# Allegro board SG2042_EVB_V1_1.brd (continued)
## Routing (per net, layer and track width the routed paths; a pad name or vN(x,y) marks a point on that pad's centre or on a via; arc(x,y) is an arc through that point) (continued)
N16965854: length 184.2
  TOP w0.102: v1(204.72,184.07) 204.72,183.21 201.67,180.16 192.05,180.16 182.58,170.69 170.33,170.69 167.64,168.01 167.64,163.18 145.47,141.01 U1.A36 ; 283.08,204.47 v1(282.47,204.47)
  ART03 w0.102: v1(208.58,198.91) 208.66,198.83 234.67,198.83 242.95,207.11 279.83,207.11 v1(282.47,204.47)
  ART10 w0.102: v1(208.58,198.91) 208.2,198.53 208.2,197.62 208.56,197.26 208.56,186.78 205.86,184.07 v1(204.72,184.07)
N16965864: length 182.5
  TOP w0.102: v1(207.29,184.07) 207.29,183.44 202.59,178.74 192.64,178.74 183.17,169.27 170.92,169.27 169.06,167.42 169.06,162.59 147.47,141 U1.A38 ; 283.08,203.61 v1(282.47,203.61)
  ART03 w0.102: v1(208.58,198.3) 208.91,198.63 234.76,198.63 243.04,206.91 279.17,206.91 v1(282.47,203.61)
  ART10 w0.102: v1(207.29,184.07) 207.29,185.22 208.76,186.69 208.76,198.12 v1(208.58,198.3)
N16965874: length 188.1
  TOP w0.102: U1.H33 v1(142.97,127.15) ; 283.08,202.74 v1(282.47,202.74)
  ART03 w0.102: v1(282.47,202.74) 278.51,206.71 243.12,206.71 234.84,198.42 212.26,198.42 210.96,197.13 205.54,197.13 v1(205.16,196.75)
  ART10 w0.102: v1(142.97,127.15) 142.59,127.53 142.59,131.39 142.67,131.47 142.67,140.3 163.59,161.21 173.34,161.21 193.76,181.64 197.1,181.64 205.54,190.07 205.54,196.37 v1(205.16,196.75)
N16965876: length 186.5
  TOP w0.102: U1.G35 v1(144.97,128.15) ; 283.08,201.88 v1(282.47,201.88)
  ART03 w0.102: v1(282.47,201.88) 277.85,206.5 243.21,206.5 234.92,198.22 212.34,198.22 211.05,196.93 207.04,196.93 v1(206.86,196.75)
  ART10 w0.102: v1(144.97,128.15) 144.59,128.53 144.59,140.57 164.07,160.05 173.83,160.05 194.25,180.47 199.47,180.47 207.21,188.21 207.21,196.39 v1(206.86,196.75)
N16965918: length 383.5
  TOP w0.102: U1.G20 v1(128.97,128.15) ; R243.2 v1(280.8,189.76)
  ART03 w0.102: v1(280.01,210.87) 279.43,211.46 274.51,211.46 271.54,214.43 253.58,214.43 252.99,215.01 230.07,215.01 229.74,215.34 227.69,215.34 226.02,213.66 202.47,213.66 199.17,210.36 86.31,210.36 85.75,210.92 82.57,210.92 81.96,210.31 56.85,210.31 v1(56.26,209.73)
  ART10 w0.102: v1(280.01,210.87) 280.59,210.29 280.59,189.97 v1(280.8,189.76) ; v1(128.97,128.15) 128.59,128.53 128.59,139.28 117.81,150.06 107.65,150.06 79.1,178.61 60.2,178.61 57.85,180.96 57.63,180.96 56.24,182.36 56.24,186.05 52.35,189.93 52.35,194.04 53.09,194.77 53.09,207.09 55.72,209.73 v1(56.26,209.73)
N16965920: length 109.8
  TOP w0.089: U1.C17 125.87,132.25 125.87,133.85 125.81,133.91
  TOP w0.102: 125.81,133.91 125.81,152.91 124.39,154.33 105.7,154.33 91.84,168.2 90.75,168.2 79.4,179.55 56.18,179.55 54.99,178.36 50.04,178.36 R246.2
N16965958: length 384.7
  TOP w0.102: R247.2 v1(280.8,188.04) ; U1.G21 v1(129.97,128.15)
  ART03 w0.102: v1(55.85,209.32) 56.67,209.32 57.46,210.11 82.04,210.11 82.65,210.72 85.66,210.72 86.22,210.16 199.25,210.16 202.55,213.46 226.11,213.46 227.79,215.14 229.66,215.14 229.99,214.81 252.91,214.81 253.49,214.22 271.45,214.22 274.42,211.25 279.02,211.25 v1(279.4,210.87)
  ART10 w0.102: v1(279.4,210.87) 280.39,209.88 280.39,188.44 v1(280.8,188.04) ; v1(55.85,209.32) 53.29,206.76 53.29,194.69 52.55,193.95 52.55,190.02 56.44,186.13 56.44,182.44 57.72,181.16 57.93,181.16 60.28,178.82 79.19,178.82 107.74,150.27 117.9,150.27 129.35,138.81 129.35,128.77 v1(129.97,128.15)
N16965960: length 385.7
  TOP w0.102: U1.H22 v1(130.97,127.15) ; R248.2 v1(280.8,187.17)
  ART03 w0.102: v1(57.53,209.32) 58.12,209.91 82.13,209.91 82.74,210.52 85.58,210.52 86.14,209.96 199.34,209.96 202.64,213.26 226.2,213.26 227.87,214.93 229.57,214.93 229.9,214.6 252.82,214.6 253.41,214.02 271.37,214.02 274.34,211.05 278.61,211.05 v1(278.79,210.87)
  ART10 w0.102: v1(280.8,187.17) 280.19,187.78 280.19,209.47 v1(278.79,210.87) ; v1(130.97,127.15) 131.35,127.53 131.35,138.39 117.41,152.33 107.25,152.33 79.65,179.93 60.75,179.93 58.17,182.51 58.17,185.27 53.16,190.27 53.16,193.7 54.81,195.35 54.81,199.24 54.1,199.95 54.1,205.89 v1(57.53,209.32)
N16966046: length 97.5
  TOP w0.102: U1.D18 v1(126.97,131.15)
  BOTTOM w0.102: v1(126.97,131.15) 126.97,131.52 126.42,132.08 126.42,135.97 89.59,172.8 54.16,172.8 53.68,173.28 50.67,173.28 R255.2
N16966110: length 108.8
  TOP w0.089: 126.14,133.91 126.08,133.85 126.08,133.04 U1.B17
  TOP w0.102: 126.14,133.91 126.14,152.87 124.47,154.53 105.79,154.53 91.92,168.4 90.84,168.4 79.48,179.76 56.08,179.76 54.89,178.56 R249.2
N16966114: length 392
  TOP w0.102: U1.J19 v1(127.97,126.15) ; R252.2 v1(280.8,185.45)
  ART03 w0.102: v1(280.62,210.87) 279.83,211.66 274.59,211.66 271.62,214.63 253.66,214.63 252.39,215.9 227.97,215.9 225.93,213.87 202.39,213.87 199.08,210.57 86.39,210.57 85.83,211.12 82.48,211.12 81.88,210.52 55.37,210.52 v1(54.58,209.73)
  ART10 w0.102: v1(54.58,209.73) 54.58,209.17 52.68,207.26 52.68,194.94 51.94,194.21 51.94,189.77 55.83,185.88 55.83,182.19 57.46,180.55 57.68,180.55 60.03,178.21 78.93,178.21 107.48,149.66 117.64,149.66 128.03,139.27 128.03,132.84 127.59,132.4 127.59,126.53 v1(127.97,126.15) ; v1(280.62,210.87) 280.8,210.69 280.8,190.35 281.18,189.97 281.18,185.83 v1(280.8,185.45)
N16966126: length 104.4
  TOP w0.102: v1(57.02,182.7) R254.2 ; U1.H21 v1(129.97,127.15)
  ART10 w0.102: v1(57.02,182.7) 57.02,182.65 60.45,179.22 79.35,179.22 107.9,150.67 118.07,150.67 130.35,138.38 130.35,127.53 v1(129.97,127.15)
N16966457: length 99.2
  TOP w0.089: 144.14,133.91 144.08,133.85 144.08,133.04 U1.B35
  TOP w0.102: 144.14,133.91 144.14,140.83 166.83,163.52 166.83,168.34 169.99,171.51 182.24,171.51 191.71,180.97 200.51,180.97 204.09,184.56 204.09,185.65 v1(205.87,187.43) ; R211.1 v1(211.33,188.04)
  ART03 w0.102: v1(205.87,187.43) 206.48,188.04 v1(211.33,188.04)
N16966458: length 119.1
  TOP w0.102: U1.F35 v1(144.97,129.15) ; R209.1 v1(225.2,188.7)
  ART10 w0.102: v1(225.2,188.7) 225.2,175.87 v1(224.36,175.03)
  BOTTOM w0.102: v1(144.97,129.15) 145.35,129.53 145.35,131.54 145.66,131.85 145.66,135.92 187.01,177.27 217.21,177.27 218.33,176.15 221.69,176.15 222.25,175.59 223.8,175.59 v1(224.36,175.03)
N16966459: length 115.1
  TOP w0.102: U1.D35 v1(144.97,131.15) ; R210.1 v1(223.93,186.16)
  ART10 w0.102: v1(224.36,175.9) 224.94,176.48 224.94,185.14 v1(223.93,186.16)
  BOTTOM w0.102: v1(224.36,175.9) 222.38,175.9 221.82,176.45 218.46,176.45 217.34,177.57 186.88,177.57 174.05,164.74 172.48,164.74 145.35,137.62 145.35,131.94 144.97,131.56 v1(144.97,131.15)
N16966460: length 105.3
  TOP w0.102: U1.E36 v1(145.97,130.15) ; R207.1 v1(210.24,188.7)
  ART10 w0.102: v1(213.26,175.95) 212.06,177.14 212.06,186.54 210.24,188.37 v1(210.24,188.7)
  BOTTOM w0.102: v1(213.26,175.95) 213.23,175.92 210.79,175.92 210.06,176.66 187.26,176.66 146.29,135.68 146.29,131.46 146.35,131.4 146.35,130.53 v1(145.97,130.15)
N16966486: length 113.4
  TOP w0.089: 143.81,133.91 143.87,133.85 143.87,132.25 U1.C35
  TOP w0.102: 143.81,133.91 143.81,140.93 166.52,163.65 166.52,168.47 169.86,171.81 182.12,171.81 191.58,181.28 200.38,181.28 203.28,184.18 v1(203.28,184.84) ; R212.1 v1(223.93,184.89)
  ART03 w0.102: v1(203.28,184.84) 205.36,186.92 207.34,186.92 207.98,186.28 220.95,186.28 222.4,184.84 223.88,184.84 v1(223.93,184.89)
N16966538: length 113.5
  TOP w0.102: U1.F36 v1(145.97,129.15) ; R215.1 v1(210.24,196.37)
  ART10 w0.102: v1(210.24,196.37) 212.32,194.28 212.32,177.75 v1(213.26,176.81)
  BOTTOM w0.102: v1(145.97,129.15) 145.59,129.53 145.59,131.32 145.98,131.7 145.98,135.8 187.13,176.96 213.11,176.96 v1(213.26,176.81)
N16966548: length 121.6
  TOP w0.102: U1.G33 v1(142.97,128.15) ; R217.1 v1(225.2,196.37)
  ART03 w0.102: v1(225.2,196.37) 213.03,196.37 211.35,194.69 v1(206.83,194.69)
  ART10 w0.102: v1(206.83,194.69) 206.2,194.06 206.2,189.16 198.22,181.18 193.95,181.18 173.53,160.76 163.78,160.76 143.35,140.33 143.35,128.53 v1(142.97,128.15)
N16966558: length 117.7
  TOP w0.102: R219.1 v1(223.93,193.83) ; U1.F34 v1(143.97,129.15)
  ART03 w0.102: v1(223.93,193.83) v1(206.83,193.83)
  ART10 w0.102: v1(143.97,129.15) 143.59,129.53 143.59,131.39 143.71,131.52 143.71,140.33 163.88,160.5 173.64,160.5 194.06,180.92 198.32,180.92 206.45,189.05 206.45,193.45 v1(206.83,193.83)
N16966568: length 110.4
  TOP w0.102: U1.H32 v1(141.97,127.15) ; R220.1 207.98,195.71 207.54,196.14 205.59,196.14 v1(205.16,195.71)
  ART10 w0.102: v1(141.97,127.15) 142.35,127.53 142.35,140.34 163.48,161.47 173.24,161.47 193.66,181.89 197,181.89 205.28,190.17 205.28,195.58 v1(205.16,195.71)
N16966578: length 115.4
  TOP w0.102: v1(206.83,192.96) 206.83,186.75 200.75,180.67 191.84,180.67 182.37,171.2 170.12,171.2 167.13,168.22 167.13,163.39 144.47,140.73 U1.A35 ; R222.1 v1(223.93,192.56)
  ART03 w0.102: v1(223.93,192.56) 207.24,192.56 v1(206.83,192.96)
N16966638: length 189.2
  TOP w0.102: U1.J39 v1(148.97,126.15) ; R225.1 v1(281.28,138.43)
  ART10 w0.102: v1(281.28,138.43) 281.28,153.96 281.05,154.19 281.05,160.6 271.91,169.74 v1(271.91,170.28)
  BOTTOM w0.102: v1(148.97,126.15) 148.59,126.53 148.59,136.41 186.33,174.14 195.22,174.14 196.56,172.8 269.39,172.8 v1(271.91,170.28)
N16966648: length 187.6
  TOP w0.102: R231.1 v1(280.7,137.57) ; U1.H40 v1(149.97,127.15)
  ART10 w0.102: v1(270.81,170.28) 270.81,169.17 280.11,159.87 280.11,138.15 v1(280.7,137.57)
  BOTTOM w0.102: v1(270.81,170.28) 268.71,172.39 196.39,172.39 195.05,173.74 186.5,173.74 149.59,136.83 149.59,127.53 v1(149.97,127.15)
N16966658: length 174
  TOP w0.102: U1.J37 v1(146.97,126.15) ; R232.1 v1(282.42,156.26)
  ART10 w0.102: v1(273.91,170.28) 273.91,169.46 282.42,160.95 v1(282.42,156.26)
  BOTTOM w0.102: v1(273.91,170.28) 273.35,170.28 270.02,173.61 196.9,173.61 195.55,174.96 185.99,174.96 146.59,135.56 146.59,126.53 v1(146.97,126.15)
N16966668: length 170.4
  TOP w0.102: R234.1 v1(281.43,155.4) ; U1.H39 v1(148.97,127.15)
  ART10 w0.102: v1(281.43,155.4) 281.43,160.76 v1(272.54,169.65)
  BOTTOM w0.102: v1(272.54,169.65) 272,169.65 269.06,172.59 196.48,172.59 195.13,173.94 186.41,173.94 149.35,136.88 149.35,127.53 v1(148.97,127.15)
N16966678: length 174.6
  TOP w0.089: 148.81,133.91 148.87,133.85 148.87,132.25 U1.C40
  TOP w0.102: v1(203.4,175.97) 201.65,177.72 193.06,177.72 183.59,168.25 171.34,168.25 170.08,166.99 170.08,162.17 148.81,140.9 148.81,133.91 ; R237.1 v1(279.73,154.53)
  ART03 w0.102: v1(270.41,169.01) 270.15,169.27 259.63,169.27 256.56,172.34 207.04,172.34 v1(203.4,175.97)
  ART10 w0.102: v1(279.73,154.53) 279.91,154.71 279.91,159.51 v1(270.41,169.01)
N16966738: length 168.5
  TOP w0.102: U1.F40 v1(149.97,129.15) ; R239.1 v1(280.7,153.67)
  ART10 w0.102: v1(280.7,153.67) 280.64,153.72 280.64,159.91 272.08,168.47 v1(272.08,169.01)
  BOTTOM w0.102: v1(272.08,169.01) 271.26,169.01 268.29,171.98 196.23,171.98 194.88,173.33 186.66,173.33 150.35,137.02 150.35,129.53 v1(149.97,129.15)
N16966748: length 173.7
  TOP w0.102: U1.F38 v1(147.97,129.15) ; R241.1 v1(282.42,152.81)
  ART10 w0.102: v1(275.18,169.01) 275.18,168.47 282.8,160.85 282.8,153.19 v1(282.42,152.81)
  BOTTOM w0.102: v1(147.97,129.15) 147.59,129.53 147.59,135.98 186.16,174.55 195.39,174.55 196.73,173.2 269.86,173.2 274.05,169.01 v1(275.18,169.01)
N16966758: length 184.2
  TOP w0.102: R242.1 v1(282.42,151.94) ; U1.J34 v1(143.97,126.15)
  ART10 w0.102: v1(282.42,151.94) 282.04,152.32 282.04,161.04 273.28,169.8 v1(273.28,170.92)
  BOTTOM w0.102: v1(273.28,170.92) 270.38,173.81 228.68,173.81 225.53,176.96 218.67,176.96 217.55,178.08 186.67,178.08 173.84,165.25 172.27,165.25 144.35,137.34 144.35,126.53 v1(143.97,126.15)
N16966768: length 169.5
  TOP w0.102: U1.D40 v1(149.97,131.15) ; R244.1 v1(280.7,151.08)
  ART10 w0.102: v1(271.45,169.65) 271.45,168.82 280.31,159.96 280.31,151.46 v1(280.7,151.08)
  BOTTOM w0.102: v1(149.97,131.15) 149.97,136.93 186.58,173.53 194.96,173.53 196.31,172.19 268.37,172.19 270.91,169.65 v1(271.45,169.65)
N17085811: length 333.1
  TOP w0.102: v1(62.28,193.12) C1316.2 62.59,194.03 62.59,194.25 61.86,194.98 61.86,196.53 61.54,196.85 U37.39 ; R395.1 v1(127.03,43.94)
  ART03 w0.102: v1(34.09,185.55) 34.72,186.18 56.99,186.18 62.59,191.78 62.59,192.81 v1(62.28,193.12)
  ART10 w0.102: v1(34.09,185.55) 23.5,174.96 23.5,139.5 13.26,129.26 13.26,112.04 12.32,111.1 12.32,35.51 31.98,15.85 101.63,15.85 123.88,38.1 123.88,40.54 126.7,43.36 126.7,43.61 v1(127.03,43.94)
N17085812: length 332.5
  TOP w0.102: v1(63.09,193.12) C1316.1 62.79,194.03 62.79,194.33 62.06,195.06 62.06,196.61 61.43,197.25 U37.40 ; R394.1 v1(126.16,43.94)
  ART03 w0.102: v1(34.95,185.55) 35.38,185.98 57.07,185.98 62.79,191.69 62.79,192.81 v1(63.09,193.12)
  ART10 w0.102: v1(126.16,43.94) 126.49,43.61 126.49,43.44 123.67,40.62 123.67,38.18 101.54,16.05 32.06,16.05 12.52,35.6 12.52,111.01 13.46,111.95 13.46,129.18 23.7,139.41 23.7,174.29 v1(34.95,185.55)
N17141953: length 2.5
  BOTTOM w0.102: Y1.3 18.27,198.36 18.92,197.71 C573.1 R95.2
N17142066: length 2.3
  BOTTOM w0.102: R61.1 24.61,193.19 24.61,194.19 24.55,194.25 U7.27
N17142082: length 2.1
  BOTTOM w0.102: R62.1 24.95,192.66 U7.26
N17142098: length 2.3
  BOTTOM w0.102: U7.25 25.35,193.12 R63.1
N17142114: length 2.5
  BOTTOM w0.102: U7.24 25.75,193.58 R65.1
N17142142: length 2.9
  BOTTOM w0.102: R66.1 27.03,193.17 26.66,193.17 26.15,193.68 U7.23
N17142158: length 3.3
  BOTTOM w0.102: U7.22 26.55,193.75 26.8,193.5 27.56,193.5 R67.1
N17144487: length 28.9
  TOP w0.102: R87.1 v1(13.74,202.69)
  ART10 w0.102: v1(13.74,202.69) 13.61,202.82 13.61,223.17 17.65,227.21 J9.9
N17144493: length 18.9
  TOP w0.381: T1.10 v1(28.96,204.08) ; T1.1 v1(17.53,204.08) ; T1.4 v1(21.34,204.08) ; T1.7 v1(25.15,204.08)
  BOTTOM w0.381: C566.1 16.5,204.08 v1(17.53,204.08) v1(21.34,204.08) v1(25.15,204.08) v1(28.96,204.08)
N17144497: length 2.3
  TOP w0.381: T1.24 v1(17.53,222.19)
  BOTTOM w0.381: R94.2 v1(17.53,222.19)
N17144524: length 16.7
  TOP w0.091: v1(19.09,222.87) 19.26,222.7 19.26,222.37 18.8,221.9 T1.23
  ART10 w0.107: v1(19.09,222.87) 19.19,222.96 arc(19.24,223.04) 19.26,223.14 19.26,223.44 arc(19.33,223.78) 19.52,224.06 21.53,226.07 arc(21.64,226.24) 21.68,226.45 21.68,229.69 arc(21.64,229.89) 21.53,230.07 21.2,230.4 arc(21.01,230.68) 20.94,231.01 J9.1
N17144531: length 16.7
  TOP w0.091: v1(19.77,222.87) 19.6,222.7 19.6,222.37 20.07,221.9 T1.22
  ART10 w0.107: J9.2 21.44,233.51 arc(21.32,233.33) 21.28,233.13 21.28,232.89 arc(21.34,232.74) 21.49,232.68 21.62,232.68 arc(21.83,232.46) 21.62,232.25 21.49,232.25 arc(21.28,232.04) 21.49,231.82 21.62,231.82 arc(21.83,231.61) 21.62,231.4 21.43,231.4 arc(21.32,231.35) 21.28,231.24 21.28,231.01 arc(21.32,230.81) 21.44,230.64 21.77,230.3 arc(21.96,230.02) 22.02,229.69 22.02,226.45 arc(21.96,226.11) 21.77,225.83 19.76,223.82 arc(19.64,223.65) 19.6,223.44 19.6,223.14 arc(19.62,223.04) 19.68,222.96 v1(19.77,222.87)
N17144533: length 30
  TOP w0.102: R88.1 v1(14.61,202.69)
  ART10 w0.102: v1(14.61,202.69) 13.82,203.48 13.82,223.09 J9.10
N17144549: length 2.3
  TOP w0.381: T1.21 v1(21.34,222.19)
  BOTTOM w0.381: R93.2 v1(21.34,222.19)
N17144571: length 17.4
  TOP w0.091: T1.20 22.61,221.9 23.07,222.37 23.07,222.7 v1(22.9,222.87)
  BOTTOM w0.091: v1(22.9,222.87) 22.99,222.96 arc(23.05,223.04) 23.07,223.15 23.07,223.48 arc(23.13,223.78) 23.3,224.04 24.89,225.62 arc(24.99,225.77) 25.02,225.94 25.02,234.36 arc(24.96,234.59) 24.79,234.76 J9.3
N17144573: length 30
  TOP w0.102: R89.1 v1(34.42,202.69)
  ART10 w0.102: J9.11 35.2,223.1 35.2,203.47 v1(34.42,202.69)
N17144582: length 17.4
  TOP w0.091: v1(23.58,222.87) 23.41,222.7 23.41,222.37 23.88,221.9 T1.19
  BOTTOM w0.091: v1(23.58,222.87) 23.49,222.96 arc(23.43,223.04) 23.41,223.15 23.41,223.48 arc(23.44,223.65) 23.54,223.8 25.13,225.38 arc(25.3,225.64) 25.36,225.94 25.36,230.54 arc(25.41,230.67) 25.54,230.73 25.77,230.73 arc(25.96,230.91) 25.77,231.09 25.54,231.09 arc(25.36,231.28) 25.54,231.46 25.77,231.46 arc(25.96,231.64) 25.77,231.82 25.54,231.82 arc(25.36,232.01) 25.54,232.19 25.77,232.19 arc(25.96,232.37) 25.77,232.56 25.54,232.56 arc(25.41,232.61) 25.36,232.74 25.36,233.16 arc(25.39,233.34) 25.49,233.49 J9.6
N17144590: length 2.3
  TOP w0.381: T1.18 v1(25.15,222.19)
  BOTTOM w0.381: R92.2 v1(25.15,222.19)
N17144594: length 28.8
  TOP w0.102: R90.1 v1(35.28,202.69)
  ART10 w0.102: J9.12 31.37,227.21 35.4,223.18 35.4,202.81 v1(35.28,202.69)
N17144609: length 16.4
  TOP w0.091: T1.17 26.42,221.9 26.88,222.37 26.88,222.7 v1(26.71,222.87)
  ART10 w0.107: v1(26.71,222.87) 26.81,222.96 arc(26.86,223.04) 26.88,223.14 26.88,223.44 arc(26.84,223.65) 26.73,223.82 24.94,225.61 arc(24.75,225.89) 24.68,226.22 24.68,230.99 arc(24.62,231.14) 24.47,231.2 24.33,231.2 arc(24.12,231.41) 24.33,231.63 24.47,231.63 arc(24.68,231.84) 24.47,232.05 24.33,232.05 arc(24.12,232.27) 24.33,232.48 24.47,232.48 arc(24.62,232.54) 24.68,232.69 24.68,233.13 arc(24.64,233.33) 24.53,233.51 J9.4
N17144619: length 16.4
  TOP w0.091: v1(27.39,222.87) 27.22,222.7 27.22,222.37 27.69,221.9 T1.16
  ART10 w0.107: J9.5 25.02,226.22 arc(25.06,226.02) 25.18,225.85 26.96,224.06 arc(27.15,223.78) 27.22,223.44 27.22,223.14 arc(27.24,223.04) 27.3,222.96 v1(27.39,222.87)
N17144625: length 2.3
  TOP w0.381: T1.15 v1(28.96,222.19)
  BOTTOM w0.381: R91.2 v1(28.96,222.19)
N17144632: length 17
  TOP w0.091: v1(30.52,222.87) 30.69,222.7 30.69,222.37 30.23,221.9 T1.14
  ART10 w0.107: J9.7 27.06,227.63 arc(27.13,227.3) 27.32,227.01 30.54,223.79 arc(30.65,223.62) 30.69,223.42 30.69,223.14 arc(30.67,223.04) 30.62,222.96 v1(30.52,222.87)
N17144641: length 17
  TOP w0.091: v1(31.2,222.87) 31.03,222.7 31.03,222.37 31.5,221.9 T1.13
  ART10 w0.107: J9.8 27.56,233.51 arc(27.44,233.33) 27.4,233.13 27.4,232.69 arc(27.46,232.54) 27.61,232.48 27.75,232.48 arc(27.96,232.27) 27.75,232.05 27.61,232.05 arc(27.4,231.84) 27.61,231.63 27.75,231.63 arc(27.96,231.41) 27.75,231.2 27.61,231.2 arc(27.46,231.14) 27.4,230.99 27.4,227.63 arc(27.44,227.43) 27.55,227.25 30.77,224.03 arc(30.96,223.75) 31.03,223.42 31.03,223.14 arc(31.05,223.04) 31.11,222.96 v1(31.2,222.87)
N17144716: length 13.5
  BOTTOM w0.381: R94.1 R93.1 R92.1 R91.1 30.61,220.68 C569.1
N17150633: length 1.1
  TOP w0.102: R324.1 LED1.C
N17201516: length 1.9
  TOP w0.254: U49.4 219.68,63.73 220.14,63.27 C1441.1
N17204608: length 286.4
  TOP w0.102: U1.H17 v1(125.97,127.15) ; R151.1 v1(195.12,222.45)
  ART10 w0.102: v1(195.12,222.45) 194.54,221.87 169.7,221.87 166.33,218.49 147.01,218.49 138.14,209.63 104.96,209.63 103.56,211.02 55.2,211.02 51.54,207.36 51.54,189.6 52.45,188.68 52.45,184.7 57.21,179.94 57.43,179.94 59.78,177.6 78.68,177.6 107.23,149.05 117.39,149.05 127.31,139.13 127.31,133.46 126.35,132.51 126.35,127.53 v1(125.97,127.15)
N17204609: length 291.6
  TOP w0.102: U1.G23 v1(131.97,128.15) ; R145.1 v1(191.06,222.45)
  ART10 w0.102: v1(191.06,222.45) 190.68,222.07 186.59,222.07 185.83,222.83 170.09,222.83 166.72,219.46 147.11,219.46 137.89,210.24 105.21,210.24 103.82,211.63 51.4,211.63 50.88,211.11 50.88,208.13 50.52,207.78 50.52,189.1 50.11,188.7 50.11,182.7 v1(53.39,179.43)
  BOTTOM w0.102: v1(131.97,128.15) 131.59,128.53 131.59,137.23 116.19,152.63 113.5,152.63 86.07,180.06 54.03,180.06 v1(53.39,179.43)
N17204610: length 287
  TOP w0.102: U1.J21 v1(129.97,126.15) ; R141.1 197.15,222.76 v1(196.85,222.45)
  ART10 w0.102: v1(196.85,222.45) 196.06,221.67 169.79,221.67 165.47,217.35 146.73,217.35 138.4,209.02 104.71,209.02 103.31,210.41 58.07,210.41 53.7,206.04 53.7,194.52 52.96,193.78 52.96,190.19 57.4,185.74 57.4,182.56 60.53,179.43 79.44,179.43 107.04,151.82 117.2,151.82 130.59,138.43 130.59,126.77 v1(129.97,126.15)
N17204611: length 283
  TOP w0.102: R148.1 v1(186.99,222.45) ; U1.E19 v1(127.97,130.15)
  ART10 w0.102: v1(186.99,222.45) 186.41,223.04 170.01,223.04 167.19,220.22 147.3,220.22 137.72,210.64 105.38,210.64 103.98,212.04 51.23,212.04 50.47,211.28 50.47,208.34 50.11,207.98 50.11,189.27 49.71,188.86 49.71,180.52 v1(54.58,175.64)
  BOTTOM w0.102: v1(127.97,130.15) 128.35,130.53 128.35,135.19 89.93,173.61 62.69,173.61 60.2,176.1 55.04,176.1 v1(54.58,175.64)
N17204612: length 275.6
  TOP w0.102: R142.1 v1(184.96,222.45) ; U1.G17 v1(125.97,128.15)
  ART10 w0.102: v1(184.96,222.45) 170,222.45 166.24,218.69 146.92,218.69 138.06,209.83 105.04,209.83 103.65,211.23 55.12,211.23 51.33,207.44 51.33,189.51 51.54,189.31 51.54,185.33 57.13,179.74 57.34,179.74 59.69,177.39 78.6,177.39 107.15,148.84 117.31,148.84 126.99,139.16 126.99,133.79 125.59,132.39 125.59,128.53 v1(125.97,128.15)
N17204640: length 290.5
  TOP w0.102: U1.F20 v1(128.97,129.15) ; v1(189.03,222.45) R154.1
  ART10 w0.102: v1(51.99,175.64) 49.1,178.54 49.1,189.12 49.5,189.53 49.5,210.89 51.06,212.45 104.15,212.45 105.55,211.05 137.55,211.05 147.48,220.98 167.67,220.98 169.93,223.24 188.24,223.24 v1(189.03,222.45)
  BOTTOM w0.102: v1(51.99,175.64) 53.06,176.71 61.54,176.71 62.21,177.38 87.02,177.38 129.35,135.05 129.35,129.53 v1(128.97,129.15)
N17204700: length 162.4
  TOP w0.102: U1.F32 v1(141.97,129.15) ; R159.1 v1(234.59,227.84)
  ART03 w0.102: v1(203.58,225.81) 206.55,225.81 207.34,226.59 233.35,226.59 v1(234.59,227.84)
  ART10 w0.102: v1(203.58,225.81) 203.58,200.76 198.81,195.99 198.81,185.8 195.15,182.14 193.55,182.14 173.13,161.72 163.38,161.72 141.44,139.78 141.44,131.81 141.59,131.66 141.59,129.53 v1(141.97,129.15)
N17204710: length 148.1
  TOP w0.102: R160.1 v1(222.4,227.84) ; U1.D33 v1(142.97,131.15)
  ART03 w0.102: v1(222.4,227.84) v1(206.1,227.84)
  ART10 w0.102: v1(206.1,227.84) 206.1,215.21 205.74,214.86 205.74,189.98 197.19,181.43 193.85,181.43 173.43,161.01 163.67,161.01 142.97,140.31 v1(142.97,131.15)
N17204720: length 154.2
  TOP w0.102: v1(199.34,182.93) 198.6,182.19 191.21,182.19 181.74,172.73 169.49,172.73 165.61,168.85 165.61,164.04 142.47,140.91 U1.A33 ; R162.1 v1(228.5,227.84)
  ART03 w0.102: v1(228.5,227.84) 227.66,227 206.79,227 206.63,226.83 v1(206.63,226.82)
  ART10 w0.102: v1(199.34,182.93) 205.94,189.53 205.94,214.77 206.3,215.13 206.3,226.49 v1(206.63,226.82)
N17204730: length 157.4
  TOP w0.102: R163.1 v1(224.43,227.84) ; U1.G30 v1(139.97,128.15)
  ART03 w0.102: v1(197.71,227.08) 198.09,227.46 224.05,227.46 v1(224.43,227.84)
  ART10 w0.102: v1(197.71,227.08) 197.71,198.49 195.5,196.28 195.5,185.53 172.71,162.74 162.95,162.74 139.35,139.14 139.35,128.77 v1(139.97,128.15)
N17204740: length 163.8
  TOP w0.102: R172.1 v1(232.56,227.84) ; U1.H30 v1(139.97,127.15)
  ART03 w0.102: v1(201.24,225.81) 201.63,226.19 206.65,226.19 207.26,226.8 231.52,226.8 v1(232.56,227.84)
  ART10 w0.102: v1(139.97,127.15) 140.35,127.53 140.35,139.56 163.12,162.33 172.88,162.33 193.3,182.75 194.33,182.75 198.4,186.83 198.4,196.16 201.17,198.93 201.17,222.19 201.24,222.27 v1(201.24,225.81)
N17204750: length 159.5
  TOP w0.102: U1.J30 v1(139.97,126.15) ; R180.1 v1(226.47,227.84)
  ART03 w0.102: v1(201.8,227.08) 201.93,227.2 225.83,227.2 v1(226.47,227.84)
  ART10 w0.102: v1(139.97,126.15) 140.59,126.77 140.59,139.51 163.21,162.13 172.96,162.13 193.38,182.55 194.41,182.55 198.6,186.74 198.6,196.07 202.03,199.5 202.03,207.9 201.8,208.13 201.8,225.07 201.96,225.22 201.96,226.92 v1(201.8,227.08)
N17204820: length 258
  TOP w0.102: U1.F22 v1(130.97,129.15) ; R174.1 v1(159.08,219.07)
  ART10 w0.102: v1(54.58,179.43) 50.32,183.69 50.32,188.61 50.72,189.02 50.72,207.69 51.08,208.05 51.08,211.02 51.49,211.43 103.73,211.43 105.13,210.03 137.97,210.03 147.02,219.07 v1(159.08,219.07)
  BOTTOM w0.102: v1(54.58,179.43) 54.81,179.65 85.9,179.65 113.33,152.22 116.02,152.22 130.84,137.41 130.84,131.64 130.59,131.39 130.59,129.53 v1(130.97,129.15)
N17204830: length 239.9
  TOP w0.102: R184.1 v1(146.89,216.97) ; U1.H23 v1(131.97,127.15)
  ART10 w0.102: v1(131.97,127.15) 132.35,127.53 132.35,139.44 118.62,153.17 107.42,153.17 79.94,180.64 61.04,180.64 59.18,182.5 59.18,186.6 53.37,192.4 53.37,193.6 55.02,195.25 55.02,199.32 54.31,200.03 54.31,205.47 59.05,210.21 103.23,210.21 104.62,208.81 138.73,208.81 v1(146.89,216.97)
N17204840: length 241.7
  TOP w0.102: U1.E21 v1(129.97,130.15) ; R185.1 v1(152.98,217.73)
  ART10 w0.102: v1(129.97,130.15) 129.59,130.53 129.59,138.86 117.98,150.47 107.82,150.47 79.27,179.02 60.37,179.02 58.02,181.37 57.8,181.37 56.64,182.52 56.64,186.22 52.76,190.1 52.76,193.87 53.49,194.61 53.49,206.13 57.98,210.62 103.39,210.62 104.79,209.22 138.31,209.22 146.82,217.73 v1(152.98,217.73)
N17204850: length 241.4
  TOP w0.102: U1.H19 v1(127.97,127.15) ; R188.1 v1(148.92,218.11)
  ART10 w0.102: v1(148.92,218.11) 146.91,218.11 138.23,209.42 104.88,209.42 103.48,210.82 56.53,210.82 52.88,207.18 52.88,194.86 52.15,194.12 52.15,189.85 56.03,185.96 56.03,182.27 57.55,180.76 57.77,180.76 60.11,178.41 79.02,178.41 107.57,149.86 117.73,149.86 128.35,139.23 128.35,127.53 v1(127.97,127.15)
N17204860: length 255.5
  TOP w0.102: U1.D20 v1(128.97,131.15) ; R190.1 v1(157.05,220.6)
  ART10 w0.102: v1(52.86,175.64) 49.3,179.2 49.3,189.03 49.71,189.44 49.71,210.8 51.15,212.24 104.07,212.24 105.47,210.85 137.64,210.85 147.39,220.6 v1(157.05,220.6)
  BOTTOM w0.102: v1(128.97,131.15) 128.97,135.14 86.94,177.18 62.29,177.18 61.62,176.5 53.72,176.5 v1(52.86,175.64)
N17204870: length 248.9
  TOP w0.102: U1.D21 v1(129.97,131.15) ; R191.1 v1(150.95,219.84)
  ART10 w0.102: v1(150.95,219.84) 147.2,219.84 137.81,210.44 105.3,210.44 103.9,211.84 51.32,211.84 50.67,211.19 50.67,208.25 50.32,207.9 50.32,189.19 49.91,188.78 49.91,182.22 v1(54.58,177.55)
  BOTTOM w0.102: v1(54.58,177.55) 55.02,177.11 61.37,177.11 62.04,177.79 87.19,177.79 113.16,151.82 115.85,151.82 130.35,137.32 130.35,131.83 129.97,131.45 v1(129.97,131.15)
N17216212: length 5
  TOP w0.091: R266.1 145.58,14.31 145.13,14.31 144.49,14.95 144.49,16.72 143.98,17.24 143.85,17.24 143.77,17.16 U17.1
N17216233: length 5
  TOP w0.091: R267.1 145.58,14.65 145.27,14.65 144.83,15.09 144.83,16.86 144.12,17.57 143.85,17.57 143.77,17.66 U17.2
N17216252: length 3.1
  TOP w0.091: R268.1 145.58,17.76 145.13,17.76 144.16,18.74 143.85,18.74 143.77,18.66 U17.4
N17216271: length 3.1
  TOP w0.091: R269.1 145.58,18.1 145.27,18.1 144.3,19.07 143.85,19.07 143.77,19.16 U17.5
N17216290: length 3.1
  TOP w0.091: U17.7 143.77,20.16 143.85,20.24 144.39,20.24 145.37,21.22 145.58,21.22 R270.1
N17216309: length 3.1
  TOP w0.091: U17.8 143.77,20.66 143.85,20.57 144.25,20.57 145.23,21.56 145.58,21.56 R271.1
N17216384: length 3.1
  TOP w0.091: U17.27 137,18.66 136.92,18.74 136.47,18.74 135.49,19.72 135.19,19.72 R280.1
N17216403: length 3.1
  TOP w0.091: U17.26 137,19.16 136.92,19.07 136.61,19.07 135.63,20.06 135.19,20.06 R281.1
N17216422: length 3.1
  TOP w0.091: R282.1 135.19,16.26 135.64,16.26 136.61,17.24 136.92,17.24 137,17.16 U17.30
N17216441: length 3.1
  TOP w0.091: R283.1 135.19,16.6 135.5,16.6 136.47,17.57 136.92,17.57 137,17.66 U17.29
N17216464: length 12.7
  TOP w0.091: U17.24 137,20.16 136.92,20.24 136.54,20.24 136.09,20.68 136.09,26.62 136.8,27.33 139.75,27.33 140.07,27.01 140.07,26.68 R284.1
N17216485: length 12.7
  TOP w0.091: R285.1 139.73,26.68 139.73,26.87 139.61,26.99 138.97,26.99 arc(138.84,26.94) 138.78,26.81 138.78,26.6 arc(138.6,26.41) 138.42,26.6 138.42,26.81 arc(138.24,26.99) 138.05,26.81 138.05,26.6 arc(137.87,26.41) 137.69,26.6 137.69,26.81 arc(137.63,26.94) 137.5,26.99 136.94,26.99 136.43,26.48 136.43,20.82 136.68,20.57 136.92,20.57 137,20.66 U17.23
N17217320: length 1.9
  TOP w0.102: Y2.1 135.43,7.07 R276.1
N17217322: length 2.1
  TOP w0.102: R277.2 139.83,12.26 Y2.4
N17217329: length 2.1
  TOP w0.102: R278.2 138.96,12.26 Y2.5
N17224049: length 1.2
  TOP w0.102: R441.1 124.24,40.35 U45.6
N17229503: length 1.2
  BOTTOM w0.102: R315.1 148.76,42.74 U20.6
N17231691: length 1.1
  BOTTOM w0.254: R333.1 86.27,223.77 U25.4
N17231693: length 0.9
  BOTTOM w0.254: C1208.2 R333.2
N17231745: length 1.7
  BOTTOM w0.254: C1208.1 85.22,221.08 ; U25.2 86.77,221.11
N17231794: length 2.7
  BOTTOM w0.254: C1212.2 R337.1 R340.2 R336.2
N17231828: length 1.2
  BOTTOM w0.254: R336.1 87.27,223.54 U25.6
N17232456: length 1.1
  TOP w0.254: U31.4 155.05,27.16 R353.1
N17232458: length 0.9
  TOP w0.254: C1233.2 R353.2
N17232516: length 1.9
  TOP w0.254: C1233.1 154,29.57 154.36,29.92 ; U31.2 155.55,29.82
N17232566: length 2.7
  TOP w0.254: R2188.2 R2189.2 R357.1 C1234.2
N17232598: length 1.2
  TOP w0.254: U31.6 156.05,27.39 R2188.1
N17235218: length 1.1
  BOTTOM w0.254: U28.4 156.05,27.16 R339.1
N17235220: length 0.9
  BOTTOM w0.254: R339.2 C1215.2
N17235288: length 1.9
  BOTTOM w0.254: 156.74,29.92 157.1,29.57 C1215.1 ; U28.2 155.55,29.82
N17235374: length 2.7
  BOTTOM w0.254: R2186.2 R2187.2 R344.1 C1220.2
N17284260: length 1.1
  BOTTOM w0.254: U19.4 147.52,30.08 R306.1
N17284262: length 0.9
  BOTTOM w0.254: R306.2 C1169.2
N17284332: length 1.9
  BOTTOM w0.254: U19.2 147.02,32.74 ; C1169.1 148.56,32.49 148.21,32.84
N17284386: length 2.7
  BOTTOM w0.254: R310.2 R313.2 145.64,28.12 R311.1 C1170.2
N17284418: length 1
  BOTTOM w0.254: U19.6 146.52,29.85 146.51,29.84
N17288473: length 1.2
  BOTTOM w0.102: U6.6 132.1,45.43 R60.1
N17289826: length 1.5
  BOTTOM w0.102: U3.6 131.43,48.8 131.27,48.97 R43.1
N17289929: length 1.2
  TOP w0.102: U4.6 130.85,48.96 R44.1
N17295617: length 1.4
  TOP w0.102: SW1.12 R20.1
N17295638: length 1.4
  TOP w0.102: SW1.11 R19.1
N17295659: length 1.4
  TOP w0.102: SW1.10 R21.1
N17295680: length 1.4
  TOP w0.102: SW1.9 R22.1
N17295697: length 1.6
  TOP w0.102: SW1.5 R29.2
N17295701: length 1.4
  TOP w0.102: SW1.8 R23.1
N17295718: length 1.6
  TOP w0.102: SW1.6 R30.2
N17295722: length 1.4
  TOP w0.102: SW1.7 R24.1
N17300970: length 1
  TOP w0.102: R326.1 136.99,46.22 U24.6
N17301610: length 1.5
  TOP w0.102: R335.1 148.73,43.6 U26.6
N17301713: length 1
  BOTTOM w0.102: R338.1 151.57,35.82 U27.6
N17301816: length 1
  TOP w0.102: U30.6 160.16,29.55 R348.1
N17455755: length 2.6
  TOP w0.102: X4.1 148.77,156.69 C3143.1 R470.1
N17455787: length 1.8
  TOP w0.102: R471.1 151.14,152.82 X4.3
N17456600: length 174.7
  TOP w0.102: R472.1 v1(279.73,150.22) ; U1.A41 150.47,141.13 171.1,161.75 171.1,166.57 171.76,167.24 184.01,167.24 193.48,176.71 198.35,176.71 v1(199.09,175.97)
  ART03 w0.102: v1(269.77,169.65) 269.6,169.47 259.72,169.47 256.64,172.54 207.39,172.54 203.5,176.43 199.54,176.43 v1(199.09,175.97)
  ART10 w0.102: v1(269.77,169.65) 269.77,169.11 279.35,159.53 279.35,150.6 v1(279.73,150.22)
N17456613: length 188
  TOP w0.102: U1.J38 v1(147.97,126.15) ; R473.1 v1(282.42,141.02)
  ART10 w0.102: v1(282.42,141.02) 283.01,141.6 283.01,161.19 v1(275.82,168.38)
  BOTTOM w0.102: v1(147.97,126.15) 148.35,126.53 148.35,136.46 186.24,174.35 195.3,174.35 196.65,173 269.77,173 274.39,168.38 v1(275.82,168.38)
N17456626: length 181.9
  TOP w0.102: U1.F41 v1(150.97,129.15) ; R474.1 v1(280.7,140.16)
  ART10 w0.102: v1(272.72,168.38) 280.85,160.25 280.85,154.1 281.08,153.87 281.08,140.54 v1(280.7,140.16)
  BOTTOM w0.102: v1(272.72,168.38) 271.61,168.38 268.2,171.78 196.14,171.78 194.8,173.13 186.75,173.13 150.59,136.97 150.59,129.53 v1(150.97,129.15)
N17456639: length 190.4
  TOP w0.102: U1.H38 v1(147.97,127.15) ; R475.1 v1(282.42,139.29)
  ART10 w0.102: v1(282.42,139.29) 283.21,140.08 283.21,161.55 275.11,169.65 v1(274.55,169.65)
  BOTTOM w0.102: v1(274.55,169.65) 273.7,169.65 269.94,173.41 196.82,173.41 195.47,174.75 186.07,174.75 147.35,136.03 147.35,127.77 v1(147.97,127.15)
N17457389: length 1.2
  BOTTOM w0.102: U51.6 140.02,49.57 R476.1
N17507585: length 5
  TOP w0.102: R489.1 R490.1 C3323.1 211.61,166.78 J1.146
N17508768: length 17.4
  TOP w0.102: J2.146 201.07,167.92 203.1,167.92 203.8,168.62 204.74,168.62 205.59,167.77 206.64,167.77 207.49,168.62 208.54,168.62 209.39,167.77 210.1,167.77 211.02,166.85 211.02,164.64 C3324.1 R492.1 R491.1
N17509318: length 11.6
  TOP w0.102: J3.146 71.4,168.81 69.12,168.81 arc(68.92,168.77) 68.76,168.66 68.21,168.11 arc(68.04,168) 67.85,167.96 67.72,167.96 arc(67.53,168) 67.36,168.11 66.81,168.66 arc(66.64,168.77) 66.45,168.81 65.76,168.81 65.01,168.06 65.01,166.76 C3325.1 R494.1 R493.1
N17509859: length 23.5
  TOP w0.102: R495.1 R496.1 C3326.1 65.38,165.13 65.38,167.9 65.91,168.43 66.25,168.43 arc(66.44,168.39) 66.61,168.28 67.16,167.73 arc(67.32,167.62) 67.52,167.58 68.65,167.58 arc(68.85,167.62) 69.01,167.73 69.56,168.28 arc(69.73,168.39) 69.92,168.43 70.34,168.43 arc(70.53,168.39) 70.7,168.28 71.06,167.92 arc(71.23,167.81) 71.42,167.77 72.95,167.77 arc(73.14,167.81) 73.31,167.92 73.86,168.47 arc(74.02,168.58) 74.22,168.62 75.89,168.62 arc(76.08,168.66) 76.25,168.77 76.77,169.29 arc(76.94,169.4) 77.13,169.44 77.68,169.44 arc(77.87,169.4) 78.03,169.29 78.56,168.77 arc(78.72,168.66) 78.92,168.62 J4.146
N17811578: length 1.1
  TOP w0.102: R588.1 10.81,149.7 D520.A
N17859903: length 2.3
  TOP w0.203: U53.47 v1(228.96,211.99)
  BOTTOM w0.254: R621.2 C1492.1 229.21,211.74 v1(228.96,211.99)
N17859934: length 6.9
  TOP w0.102: R622.2 R624.1 C1491.1 226.09,213.46 226.92,212.62 228.96,212.62 229.36,212.22 U53.46
N17860152: length 2.6
  TOP w0.102: R630.1 235.38,205.92 C1494.1 235.17,206.13 U53.25
N17860154: length 2.6
  TOP w0.102: U53.26 235.13,206.53 C1494.2 235.38,206.78 R631.1
N17860479: length 4.7
  TOP w0.102: U53.43 230.56,212.83 231.19,213.46 C1497.1 R638.1 R634.2
N17860491: length 4.7
  TOP w0.102: R635.2 R637.1 C1496.1 229.49,213.46 230.16,212.79 U53.44
N17860515: length 5.6
  TOP w0.102: R641.1 R640.1 232.89,213.72 232.51,213.33 231.78,213.33 230.96,212.52 U53.42
N17860586: length 6.1
  TOP w0.102: U53.40 231.76,211.82 231.85,211.91 231.85,212.14 232.23,212.52 234.23,212.52 234.92,213.22 234.92,213.36 234.82,213.46 234.82,213.69 C1498.1 234.62,214.76 R636.1
N17860630: length 6.1
  TOP w0.102: R639.1 235.43,214.76 C1498.2 235.23,213.69 235.23,213.46 235.13,213.36 235.13,213.13 234.31,212.32 232.31,212.32 232.06,212.06 232.06,211.89 232.16,211.79 U53.39
N17861973: length 0.7
  BOTTOM w0.508: R643.1 218.87,82.22 v1(219.02,82.07)
N17862054: length 3.3
  TOP w0.254: v1(224.71,76.58) C1506.1 223.9,76.79 U54.3
  BOTTOM w0.254: R642.2 224.46,75.77 224.71,76.02 v1(224.71,76.58)
N17862200: length 1.2
  BOTTOM w0.508: R643.2 C1512.1
N17862277: length 1.5
  TOP w0.203: C1513.1 219.57,74.03 U54.33
N17862291: length 1.8
  TOP w0.203: v1(220.57,74.3) 220.47,74.4 U54.35
  BOTTOM w0.254: R645.2 220.57,74.98 v1(220.57,74.3)
N17862331: length 0.9
  TOP w0.203: C1513.2 R2454.2
N17862336: length 3.2
  TOP w0.254: v1(224.71,74.88) C1514.1 223.44,74.88 222.74,75.58 U54.1
  BOTTOM w0.254: C1514.1 v1(224.71,74.88)
N17862355: length 2.3
  TOP w0.203: R647.2 C1515.1 222.4,74.47 222.27,74.61 U54.39
N17862361: length 1.4
  TOP w0.203: U54.37 221.37,73.96 R648.1
N17863856: length 0.7
  BOTTOM w0.508: v1(54.48,82.68) 54.33,82.83 R650.1
N17863939: length 3.3
  TOP w0.254: v1(60.17,77.19) C1523.1 59.36,77.4 U55.3
  BOTTOM w0.254: R649.2 59.92,76.38 60.17,76.63 v1(60.17,77.19)
N17863973: length 1.2
  BOTTOM w0.508: R650.2 C1529.1
N17864138: length 1.5
  TOP w0.203: C1530.1 55.03,74.64 U55.33
N17864142: length 1.8
  TOP w0.203: U55.35 55.93,75.01 v1(56.03,74.91)
  BOTTOM w0.254: R651.2 56.03,75.59 v1(56.03,74.91)
N17864182: length 0.9
  TOP w0.203: C1530.2 R2455.2
N17864187: length 3.2
  TOP w0.254: v1(60.17,75.49) C1531.1 58.9,75.49 58.2,76.19 U55.1
  BOTTOM w0.254: C1531.1 v1(60.17,75.49)
N17864206: length 2.3
  TOP w0.203: R653.2 C1532.1 57.86,75.08 57.73,75.22 U55.39
N17864212: length 1.4
  TOP w0.203: R654.1 56.83,74.57 U55.37
N17870441: length 1.7
  TOP w0.102: U56.9 54.69,117.94 R655.2
N17870502: length 1.8
  TOP w0.254: U56.6 56.19,117.71 C1533.1
N17870524: length 4.5
  TOP w0.254: U56.1 53.52,113.46 52.4,112.34 C1534.2 R659.1 R657.2
N17870797: length 1.4
  TOP w0.102: U57.6 52.36,108.14 R661.1
N17870862: length 2.1
  TOP w0.254: U58.19 58.58,61.65 58.71,61.52
  TOP w0.508: C1542.1 59.77,60.92 59.17,61.52 58.71,61.52
N17870866: length 1.6
  TOP w0.305: U58.17 57.09,60.87
N17871096: length 4.2
  TOP w0.254: R664.1 61.49,64.85 R667.1 R666.2 60.1,65.71 59.79,65.41 59.79,64.88 59.54,64.63 U58.6
N17871102: length 0.9
  TOP w0.254: R664.2 C1547.1
N17871216: length 2.1
  TOP w0.254: R665.2 C3147.1 56.42,61.65 U58.16
N17871270: length 3
  TOP w0.254: U58.3 59.66,63.13 60.15,62.64 60.99,62.64 61.44,63.09 R671.2
N17871274: length 2.8
  TOP w0.254: U58.2 59.61,62.63 60.01,62.23 R669.2
N17871278: length 1.9
  TOP w0.254: C1554.1 60.38,63.17 59.92,63.63 U58.4
N17871473: length 1
  TOP w0.102: U59.6 51.47,50.05 R672.1
N17876519: length 2.1
  TOP w0.254: U60.19 140.14,31.19 140,31.05
  TOP w0.508: 140,31.05 140,30.6 139.41,30 C1557.1
N17876523: length 2.1
  TOP w0.305: U60.17 138.91,32.67
N17876753: length 4.2
  TOP w0.254: R675.1 143.33,28.27 R2183.1 R677.2 144.2,29.67 143.89,29.97 143.37,29.97 143.11,30.23 U60.6
N17876759: length 0.9
  TOP w0.254: R675.2 C1562.1
N17876871: length 2.1
  TOP w0.254: R676.2 C3159.1 140.14,34.59 U60.16
N17876927: length 3
  TOP w0.254: U60.3 141.61,30.11 141.12,29.62 141.12,28.78 141.6,28.3 R682.2
N17876931: length 2.8
  TOP w0.254: R680.2 140.72,29.76 141.11,30.15 U60.2
N17876935: length 1.9
  TOP w0.254: U60.4 142.11,29.84 141.66,29.39 C1569.1
N17884056: length 1.1
  BOTTOM w0.102: R689.1 228.95,95.08 U61.6
N17885153: length 1.2
  TOP w0.102: R693.1 220.63,102.22 U62.6
N17885780: length 1.1
  BOTTOM w0.102: R694.1 46.14,95.54 U63.6
N17885880: length 1.2
  TOP w0.102: U64.6 55.79,102.99 R695.1
N18066431: length 2.7
  TOP w0.203: D521.1 276.37,237.85 ; D521.1 276.05,237.48 ; D521.1 276.05,238.21
  TOP w0.381: 275.82,239.55 275.29,239.55 J1103.1 275.13,238.84
N18066499: length 9.7
  TOP w0.114: v1(274.52,236.88) 274.34,237.06 274.34,237.67 D522.1 274.33,238.04 274.33,238.68 274.48,238.84 J1103.2 ; U805.5 272.22,234.82 272.3,234.9 272.3,235.39 v1(272.13,235.56)
  BOTTOM w0.114: v1(274.52,236.88) 274.34,237.06 274.34,237.47 273.97,237.84 272.54,237.84 272.13,237.43 v1(272.13,235.56)
N18066506: length 2.3
  TOP w0.102: C1672.1 R1141.2 268.82,232.62 U805.9
N18066514: length 9.7
  TOP w0.114: v1(273.82,236.88) 274,237.06 274,237.67 D523.1 273.99,238.02 273.99,238.68 273.83,238.84 J1103.3 ; U805.4 272.72,234.81 272.64,234.9 272.64,235.39 v1(272.81,235.56)
  BOTTOM w0.114: v1(273.82,236.88) 274,237.06 274,237.33 273.83,237.5 272.68,237.5 272.47,237.29 272.47,237.01 arc(272.54,236.85) 272.7,236.78 272.91,236.78 arc(273.14,236.55) 272.91,236.32 272.67,236.32 arc(272.53,236.26) 272.47,236.12 272.47,235.85 272.75,235.56 v1(272.81,235.56)
N18071451: length 1.1
  BOTTOM w0.254: R1142.1 100.39,223.77 U808.4
N18071453: length 0.9
  BOTTOM w0.254: C1673.2 R1142.2
N18071511: length 1.7
  BOTTOM w0.254: C1673.1 99.34,221.06 ; U808.2 100.89,221.08
N18071533: length 2.1
  BOTTOM w0.102: R1143.1 100.89,224.13 U808.5
N18071559: length 2.7
  BOTTOM w0.254: C1676.2 R1145.1 R1146.2 R1144.2
N18071593: length 1
  BOTTOM w0.254: U808.6 101.39,224.02 R1144.1
N18430898: length 110.8
  TOP w0.089: 137.81,133.91 137.87,133.85 137.87,132.25 U1.C29
  TOP w0.102: R1246.2 200.74,199.31 193.73,192.3 193.73,188.32 180.68,175.27 168.43,175.27 163.04,169.88 163.04,165.07 158.95,160.98 144.01,160.98 142.34,159.31 142.34,146.94 137.81,142.4 137.81,133.91
N18430900: length 109
  TOP w0.102: R1247.2 194.37,192.09 194.37,188.1 180.93,174.66 168.68,174.66 163.65,169.63 163.65,164.82 159.2,160.37 144.26,160.37 142.95,159.05 142.95,146.68 138.47,142.21 U1.A29
N18430902: length 109.9
  TOP w0.089: U1.B29 138.08,133.04 138.08,133.85 138.14,133.91
  TOP w0.102: 138.14,133.91 138.14,142.3 142.65,146.81 142.65,159.18 144.14,160.67 159.07,160.67 163.35,164.95 163.35,169.75 168.56,174.96 180.8,174.96 194.03,188.19 194.03,192.18 201.6,199.75 R1248.2
N18430904: length 108.3
  TOP w0.102: R1249.2 199.87,198.88 193.42,192.43 193.42,188.44 180.55,175.57 168.3,175.57 162.74,170.01 162.74,165.2 158.82,161.28 143.88,161.28 142.04,159.43 142.04,147.06 137.47,142.5 U1.A28
N18430906: length 99.9
  TOP w0.102: U1.D29 v1(137.97,131.15) ; R1250.2 v1(196.42,199.57)
  ART10 w0.102: v1(137.97,131.15) 137.88,131.24 137.88,139.03 165.2,166.34 174.95,166.34 194.54,185.93 194.54,197.13 195.07,197.66 195.07,198.51 196.13,199.57 v1(196.42,199.57)
N18430908: length 110.1
  TOP w0.089: U1.C28 136.87,132.25 136.87,133.85 136.81,133.91
  TOP w0.102: R1251.2 198.15,198.02 192.81,192.68 192.81,188.7 180.3,176.18 168.05,176.18 162.13,170.26 162.13,165.45 158.57,161.89 143.63,161.89 141.43,159.69 141.43,147.32 136.81,142.7 136.81,133.91
N18430910: length 109.3
  TOP w0.089: 137.14,133.91 137.08,133.85 137.08,133.04 U1.B28
  TOP w0.102: R1252.2 199.01,198.45 193.12,192.56 193.12,188.57 180.42,175.87 168.18,175.87 162.44,170.13 162.44,165.33 158.69,161.59 143.76,161.59 141.73,159.56 141.73,147.19 137.14,142.6 137.14,133.91
N18430912: length 100.1
  TOP w0.102: R1253.2 v1(194.08,200.18) ; U1.D27 v1(135.97,131.15)
  ART10 w0.102: v1(194.08,200.18) 193.12,199.21 193.12,186.59 174.29,167.77 164.61,167.77 136.35,139.52 136.35,131.86 135.97,131.48 v1(135.97,131.15)
N18431005: length 100.2
  TOP w0.102: R1254.2 v1(195.55,199.57) ; U1.D28 v1(136.97,131.15)
  ART10 w0.102: v1(195.55,199.57) 194.67,199.57 193.83,198.73 193.83,186.3 174.58,167.06 164.9,167.06 137.07,139.22 137.07,131.24 v1(136.97,131.15)
N18436137: length 101.2
  TOP w0.102: U1.D22 v1(130.97,131.15) ; R1267.2 v1(57.78,183.64)
  ART10 w0.102: v1(57.78,183.64) 57.78,182.53 60.64,179.68 79.54,179.68 107.15,152.08 117.31,152.08 130.97,138.41 v1(130.97,131.15)
N18436140: length 105.4
  TOP w0.089: 128.81,133.91 128.87,133.85 128.87,132.25 U1.C20
  TOP w0.102: R1268.2 60.4,184.51 61.26,185.37 66.58,185.37 70.01,181.94 79.46,181.94 91.47,169.93 92.55,169.93 106.42,156.06 125.11,156.06 127.79,153.38 127.79,142.43 128.81,141.41 128.81,133.91
N18511244: length 1.2
  TOP w0.102: U815.6 111.52,169.15 R1310.1
N18530580: length 1.6
  TOP w0.102: R1311.1 208.31,221.37 U814.20
N18532801: length 1.7
  TOP w0.102: R1334.1 208.09,219.42 U814.17
N18532938: length 1.8
  TOP w0.102: U814.18 207.87,220.07 R1332.1
N18533163: length 1.6
  TOP w0.102: R1312.1 208.3,218.77 U814.16
N18533338: length 1.7
  TOP w0.102: R1315.1 208.09,217.46 U814.14
N18533351: length 1.8
  TOP w0.102: U814.13 207.87,216.81 R1333.1
N18533364: length 1.9
  TOP w0.102: U814.12 207.66,216.16 R1313.1
N18533409: length 1.6
  TOP w0.102: U814.15 208.3,218.11 R1335.1
N18537731: length 1.1
  TOP w0.254: U816.4 143.27,226.46 R1348.1
N18537733: length 0.9
  TOP w0.254: C3160.2 R1348.2
N18537797: length 1.7
  TOP w0.254: C3160.1 144.32,223.75 ; U816.2 142.77,223.8
N18537845: length 2.7
  TOP w0.254: C3163.2 R1351.1 R1352.2 R1350.2
N18537879: length 1.2
  TOP w0.254: U816.6 142.27,226.23 R1350.1
N18575691: length 2.5
  TOP w0.102: J2005.6 R2021.2
N18575720: length 2.5
  TOP w0.102: J2005.5 R2025.2
N18575739: length 2.5
  TOP w0.102: J2005.4 R2023.2
N18575752: length 2.5
  TOP w0.102: J2005.3 R2024.2
N18587005: length 2.7
  TOP w0.203: 264.95,237.48 D528.1 ; D528.1 265.27,237.85 ; D528.1 264.95,238.21
  TOP w0.381: 264.03,238.84 J2006.1 264.19,239.55 264.72,239.55
N18587041: length 9.7
  TOP w0.114: v1(263.42,236.88) 263.24,237.06 263.24,237.67 D529.1 263.23,238.04 263.23,238.68 263.38,238.84 J2006.2 ; U2002.5 261.12,234.82 261.2,234.9 261.2,235.39 v1(261.03,235.56)
  BOTTOM w0.114: v1(263.42,236.88) 263.24,237.06 263.24,237.47 262.87,237.84 261.44,237.84 261.03,237.43 v1(261.03,235.56)
N18587048: length 2.3
  TOP w0.102: C3170.1 R2065.2 257.72,232.62 U2002.9
N18587056: length 9.7
  TOP w0.114: J2006.3 262.73,238.84 262.89,238.68 262.89,238.02 D530.1 262.9,237.67 262.9,237.06 v1(262.72,236.88) ; U2002.4 261.62,234.81 261.54,234.9 261.54,235.39 v1(261.71,235.56)
  BOTTOM w0.114: v1(262.72,236.88) 262.9,237.06 262.9,237.33 262.73,237.5 261.58,237.5 261.37,237.29 261.37,237.01 arc(261.44,236.85) 261.6,236.78 261.81,236.78 arc(262.04,236.55) 261.81,236.32 261.57,236.32 arc(261.43,236.26) 261.37,236.12 261.37,235.85 261.65,235.56 v1(261.71,235.56)
N18591923: length 6.4
  TOP w0.102: R2081.2 213.02,46.88 209.49,46.88 208.16,45.56 J1.285
N18591926: length 10.4
  TOP w0.102: R2082.2 212.62,45.56 209.28,45.56 208.43,44.71 207.56,44.71 206.71,45.56 204.55,45.56 J1.141
N18592474: length 16.6
  TOP w0.102: R2083.2 213.16,47.93 210.98,47.93 210.33,48.58 209.49,48.58 208.64,47.73 207.57,47.73 206.72,46.88 205.4,46.88 204.74,46.22 202.79,46.22 202.13,45.56 198.95,45.56 J2.285
N18592479: length 20.7
  TOP w0.102: J2.141 197.24,45.37 198.09,44.52 199.14,44.52 199.8,45.18 203.13,45.18 203.79,44.52 204.74,44.52 205.4,45.18 206.56,45.18 207.41,44.33 208.64,44.33 209.49,45.18 213.15,45.18 R2084.2
N18592893: length 8.7
  TOP w0.102: R2085.2 62.55,47.74 66.46,47.74 67.31,46.89 68.37,46.89 69.89,45.37 J3.285
N18592898: length 3.9
  TOP w0.102: J3.141 62.63,45.37 R2086.2
N18592955: length 18.7
  TOP w0.102: R2087.2 62.67,48.1 66.66,48.1 67.51,47.25 68.55,47.25 69.58,46.22 70.36,46.22 71.03,45.55 73.34,45.55 73.83,46.04 76.13,46.04 76.81,45.37 J4.285
N18592960: length 14.7
  TOP w0.102: R2088.2 62.74,45.16 65.13,45.16 65.77,44.52 66.56,44.52 67.41,45.37 68.46,45.37 69.31,44.52 70.36,44.52 71.03,45.19 75.41,45.19 J4.141
N18761187: length 146.1
  TOP w0.089: U1.B40 149.08,133.04 149.08,133.85 149.14,133.91
  TOP w0.102: R1220.1 v1(256.97,163.27) ; 149.14,133.91 149.14,140.94 170.28,162.09 170.28,166.91 171.42,168.05 183.68,168.05 193.14,177.52 200.99,177.52 v1(202.54,175.97)
  ART03 w0.102: v1(202.54,175.97) 206.38,172.14 256.21,172.14 v1(257.58,170.76)
  ART10 w0.102: v1(256.97,163.27) 256.97,170.15 v1(257.58,170.76)
N18761202: length 145.2
  TOP w0.102: R1221.1 v1(256.97,162) ; v1(201.68,175.97) 200.33,177.32 193.23,177.32 183.76,167.85 171.51,167.85 170.49,166.82 170.49,162 149.47,140.99 U1.A40
  ART03 w0.102: v1(257.58,169.9) 255.55,171.93 205.71,171.93 v1(201.68,175.97)
  ART10 w0.102: v1(256.97,162) 257.35,162.38 257.35,169.67 v1(257.58,169.9)
N18761243: length 175.2
  TOP w0.102: U1.D36 v1(145.97,131.15) ; R1224.1 v1(270.48,148.79)
  ART03 w0.102: v1(262.46,169.9) 260.4,169.9 257.25,173.05 224.77,173.05 221.16,176.66 217.75,176.66 215.14,179.27 204.77,179.27 202.82,181.23 v1(202.82,182.17)
  ART10 w0.102: v1(202.82,182.17) 201.89,182.17 199.68,179.96 194.46,179.96 174.04,159.54 164.28,159.54 145.61,140.86 145.61,132.95 145.97,132.59 v1(145.97,131.15) ; v1(270.48,148.79) 269.85,149.43 269.85,154.37 269.85,154.58 267.64,156.79 267.64,164.72 v1(262.46,169.9)
N18761256: length 173.3
  TOP w0.102: R1225.1 v1(257.28,150.06) ; U1.G36 v1(145.97,128.15)
  ART03 w0.102: v1(254.61,175.72) 253.72,176.61 228.94,176.61 221.34,184.2 212.31,184.2 210.66,185.85 207.28,185.85 206.09,184.66 204.75,184.66 202.18,182.09 v1(202.18,181.53)
  ART10 w0.102: v1(254.61,175.72) 255.04,175.29 255.04,174.19 256.59,172.64 256.59,152.63 257.66,151.56 257.66,150.44 v1(257.28,150.06) ; v1(145.97,128.15) 146.35,128.53 146.35,132.56 145.86,133.06 145.86,140.76 164.39,159.28 175.13,159.28 195.56,179.71 199.78,179.71 201.61,181.53 v1(202.18,181.53)
N18761269: length 177.4
  TOP w0.102: U1.G39 v1(148.97,128.15) ; R1226.1 v1(270.48,147.52)
  ART03 w0.102: v1(261.49,171.2) 258.62,174.07 228.6,174.07 222.1,180.57 218.12,180.57 217.51,179.96 215.89,179.96 215.56,180.29 211.53,180.29 v1(209.02,182.8)
  ART10 w0.102: v1(209.02,182.8) 208.09,182.8 202.5,177.22 196.59,177.22 176.17,156.79 165.42,156.79 148.35,139.72 148.35,134.09 149.59,132.85 149.59,128.77 v1(148.97,128.15) ; v1(270.48,147.52) 269.6,148.41 269.6,154.48 267.39,156.68 267.39,164.33 261.49,170.22 v1(261.49,171.2)
N18761282: length 174.7
  TOP w0.102: U1.H35 v1(144.97,127.15) ; R1227.1 v1(257.28,148.79)
  ART03 w0.102: v1(203.45,182.8) 204.59,182.8 207.39,185.6 210.55,185.6 212.2,183.95 221.24,183.95 228.83,176.35 253.11,176.35 v1(253.75,175.72)
  ART10 w0.102: v1(257.28,148.79) 256.08,149.99 256.08,172.29 254.18,174.19 254.18,175.29 v1(253.75,175.72) ; v1(203.45,182.8) 202.16,182.8 199.57,180.21 194.35,180.21 173.93,159.79 164.18,159.79 145.35,140.97 145.35,127.53 v1(144.97,127.15)
N18761295: length 155.3
  TOP w0.102: R1228.1 v1(255.19,160.73) ; U1.E39 v1(148.97,130.15)
  ART03 w0.102: v1(209.65,183.44) 210.16,182.93 211.07,182.93 213.21,180.8 215.77,180.8 216.1,180.47 217.3,180.47 217.91,181.08 222.31,181.08 228.56,174.83 252.5,174.83 v1(252.88,174.45)
  ART10 w0.102: v1(148.97,130.15) 149.35,130.53 149.35,132.73 148.1,133.98 148.1,139.83 165.32,157.05 176.06,157.05 196.48,177.47 202.4,177.47 208.37,183.44 v1(209.65,183.44) ; v1(252.88,174.45) 252.88,174.18 255.32,171.74 255.32,160.86 v1(255.19,160.73)
N18761308: length 158.9
  TOP w0.102: R1229.1 v1(255.19,159.46) ; U1.D38 v1(147.97,131.15)
  ART03 w0.102: v1(252.88,175.72) 252.5,176.1 228.73,176.1 222.73,182.09 218.29,182.09 217.02,183.36 216.38,183.36 216.05,183.03 212.76,183.03 211.08,184.71 206.86,184.71 204.75,182.6 v1(204.75,181.53)
  ART10 w0.102: v1(252.88,175.72) 253.31,175.29 253.31,174.19 255.57,171.93 255.57,159.84 v1(255.19,159.46) ; v1(204.75,181.53) 204,181.53 200.91,178.44 196.08,178.44 175.66,158.01 164.92,158.01 147.13,140.23 147.13,133.58 147.59,133.12 147.59,131.53 v1(147.97,131.15)
N18761323: length 174.1
  TOP w0.102: U1.E37 v1(146.97,130.15) ; R1230.1 v1(257.28,143.51)
  ART03 w0.102: v1(206.65,183.44) 207.19,183.44 208.21,184.45 210.98,184.45 212.65,182.78 216.16,182.78 216.49,183.11 216.92,183.11 218.19,181.84 222.63,181.84 228.75,175.72 v1(252.02,175.72)
  ART10 w0.102: v1(252.02,175.72) 252.45,175.29 252.45,174.25 254.81,171.89 254.81,145.97 v1(257.28,143.51) ; v1(206.65,183.44) 204.83,183.44 200.59,179.2 195.77,179.2 175.34,158.78 164.6,158.78 146.37,140.55 146.37,133.27 146.83,132.81 146.83,131.21 146.97,131.07 v1(146.97,130.15)
N18761336: length 179.4
  TOP w0.102: U1.E40 v1(149.97,130.15) ; R1231.1 v1(270.48,142.24)
  ART03 w0.102: v1(260.58,171.2) 257.96,173.81 228.5,173.81 222,180.31 218.23,180.31 217.62,179.71 215.78,179.71 215.45,180.04 210.52,180.04 v1(208.38,182.17)
  ART10 w0.102: v1(260.58,171.2) 261.04,170.74 261.04,170.29 267.13,164.19 267.13,147.47 270.1,144.5 270.1,142.62 v1(270.48,142.24) ; v1(149.97,130.15) 150.35,130.53 150.35,132.45 148.61,134.19 148.61,139.62 165.53,156.54 176.27,156.54 196.69,176.96 202.61,176.96 207.82,182.17 v1(208.38,182.17)
N18761349: length 180.8
  TOP w0.089: U1.C38 147.08,132.04 147.08,133.85 147.14,133.91
  TOP w0.102: 147.14,133.91 147.14,141.1 168.76,162.72 168.76,167.54 170.79,169.58 183.04,169.58 192.51,179.04 202.26,179.04 v1(204.11,180.9) ; R1232.1 v1(270.48,140.97)
  ART03 w0.102: v1(204.11,180.9) 205.49,179.53 215.24,179.53 217.86,176.91 221.27,176.91 224.87,173.3 257.56,173.3 v1(260.58,170.28)
  ART10 w0.102: v1(260.58,170.28) 266.88,163.98 266.88,147.37 269.85,144.4 269.85,141.6 v1(270.48,140.97)
